# Altium PCB PCB1.pcbdoc (part 2 of 4)
Units mm, origin at the board's own origin, x right, y up, seen from the top; angles counter-clockwise.
Board outline 96.52 x 122.17 mm, 4 copper layers (Top Layer, Inner1, Inner2, Bottom Layer); 129 components, 127 nets, 709 pads, 318 vias.
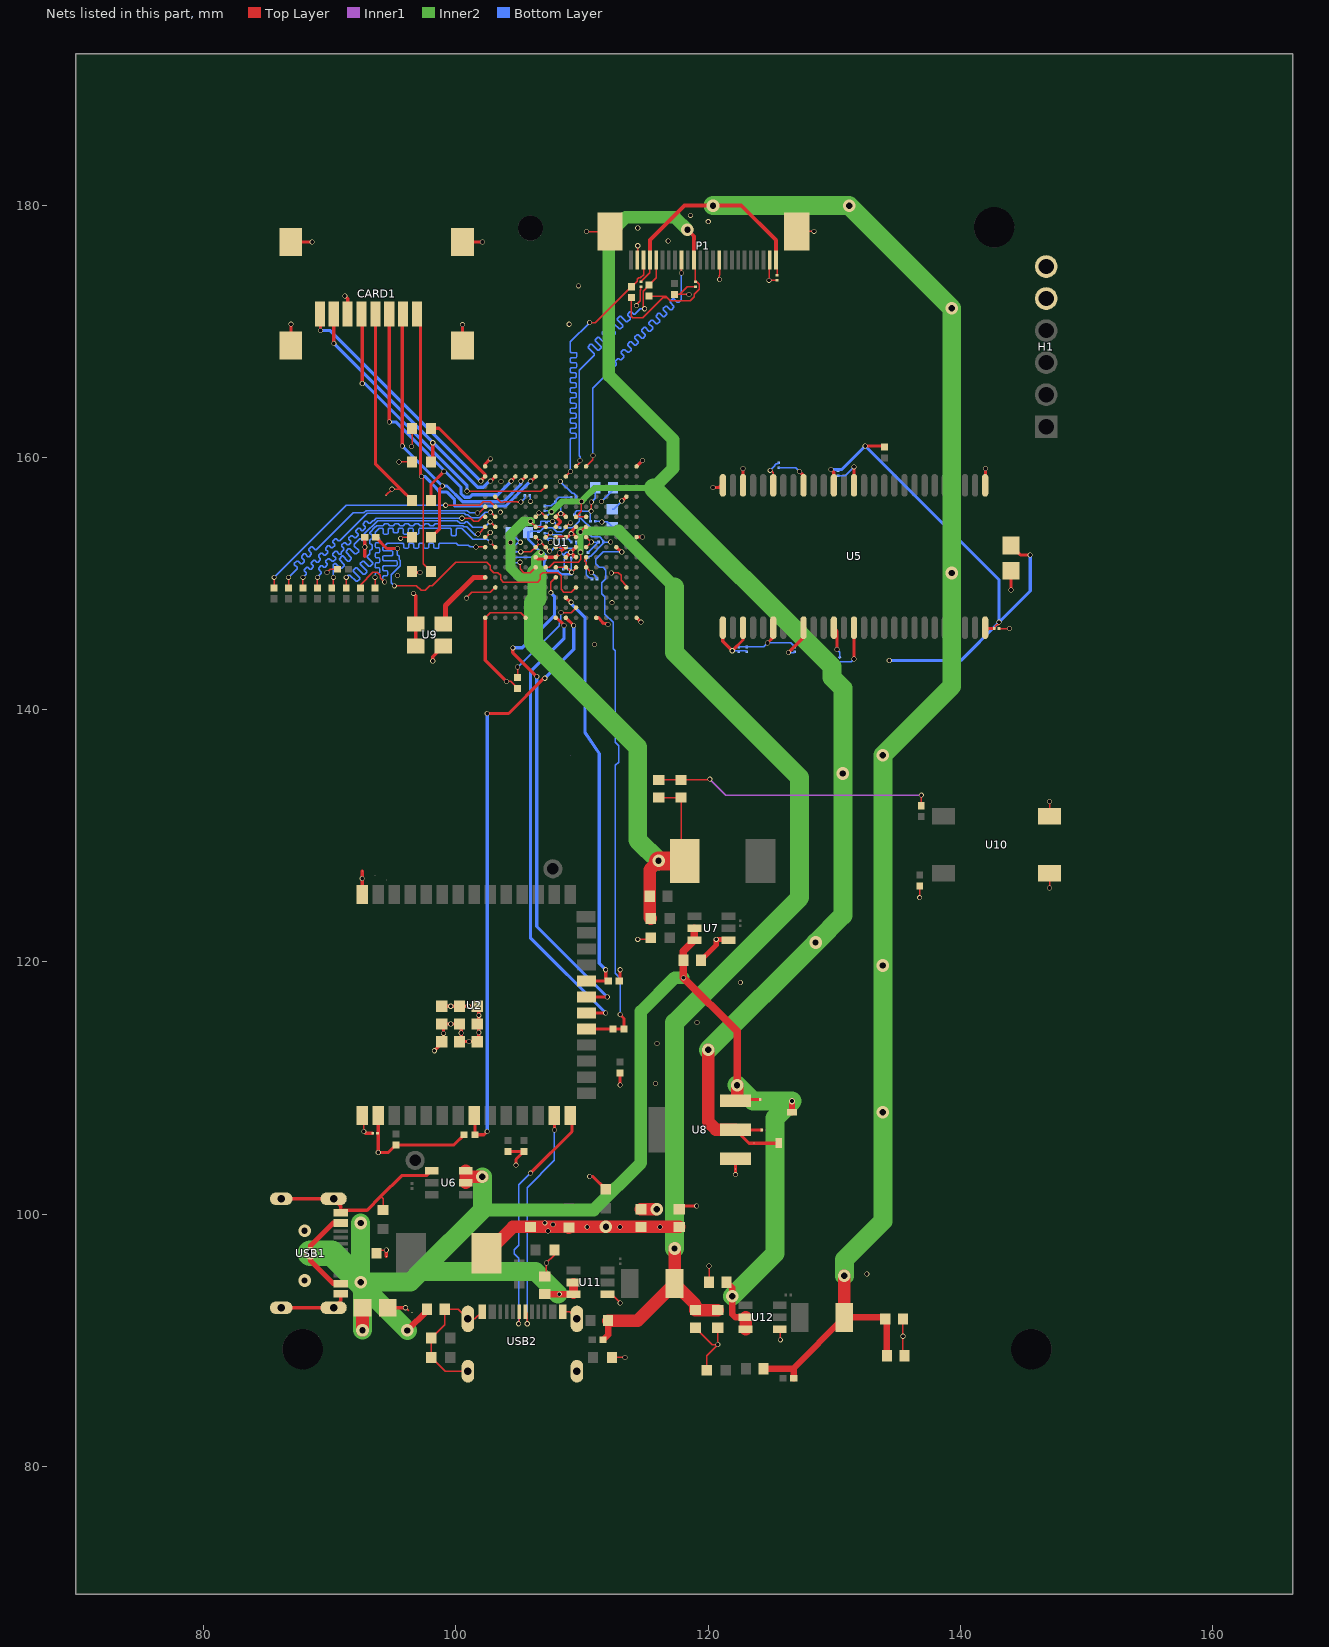
[diagram p4: the nets of this part, all layers, seen from the top]

## Via types
v1: diameter 0.4, hole 0.3, Top Layer to Bottom Layer, 291 vias
v2: diameter 1, hole 0.5, Top Layer to Bottom Layer, 26 vias
v3: diameter 0.5, hole 0.3, Top Layer to Bottom Layer, 1 vias

## Nets (pads, with @x,y where several pads share a name; then routed paths per layer and width w, separated by ;. In a path a pad name is that pad's centre, name@x,y a point inside that pad or via, vN(x,y) a via of type N, cw(c..) or ccw(c..) an arc to the next point about the centre after c; other vN are vias at no path point) (continued)
$2N5509: R24.2 U1.N10 | length 24
  Top Layer w0.1: v1(95.123,149.818) 96.882,149.818 97.242,149.458 97.576,149.458 97.936,149.818 98.129,149.818 99.373,151.062 99.373,151.067 100.013,151.707 102.453,151.707 102.749,151.411 102.749,151.131 103.009,150.871 103.345,150.871 103.549,150.667 103.549,150.331 103.773,150.107 105.689,150.107 105.696,150.114 106.166,150.114 106.173,150.107 106.489,150.107 106.713,150.331 106.713,150.689 106.895,150.871 108.089,150.871 108.349,150.611 108.349,149.531 108.573,149.307 109.149,149.307 U1.N10@109.531,149.689
  Top Layer w0.254: R24.2@93.651,153.67 94.54,152.781 v1(95.377,152.781)
  Bottom Layer w0.1: v1(95.123,149.818) 94.869,150.072 94.869,150.697 95.577,151.405 95.577,151.829 95.504,151.902 95.504,152.146 95.377,152.273 v1(95.377,152.781)
$2N5511: R25.2 U1.R10 | length 7.9
  Top Layer w0.1: R25.2@104.902,142.546 v1(104.902,143.383) ; v1(108.331,147.701) 109.143,147.701 U1.R10@109.531,148.089
  Bottom Layer w0.1: v1(104.902,143.383) 108.183,146.664 108.183,146.852 108.331,147 v1(108.331,147.701)
+1V1: C25.2 C27.2 C28.2 C41.1 C42.1 C43.1 C44.1 C49.1 C53.1 C54.1 C61.1 L2.2 R15.2 U1.G6 U1.G7 U1.L8 U1.L9 U1.L10 | length 66.8
  Top Layer w0.1: v1@105.918,154.94 105.918,154.902 U1.G6@106.331,154.489 U1.G7@107.131,154.489 ; U1.L8@107.931,151.289 U1.L9@108.731,151.289 108.797,151.289 v1(109.19,150.897) 109.531,151.238 U1.L10@109.531,151.289 ; C27.2@116.078,133.031 C28.2@117.856,133.031 117.856,128.318 L2.2@118.158,128.016
  Top Layer w1: R15.2@115.452,123.444 115.378,123.518 C25.2@115.378,125.222 115.378,127.316 v2(116.078,128.016)
  Top Layer w1.5: v2(116.078,128.016) L2.2@118.158,128.016
  Inner2 w0.7: 105.486,154.932 v1(105.926,154.932)
  Inner2 w0.8: v1(104.34,153.249) v1@104.331,153.258 ; 105.486,154.932 105.464,154.909 105.365,154.909 104.331,153.875 v1@104.331,153.258 ; v1@106.69,152.302 106.379,151.99 106.379,150.859 105.959,150.439 105.131,150.439 104.331,151.239 v1@104.331,153.258
  Inner2 w1.5: 106.379,150.859 106.426,150.812 106.426,148.785 106.149,148.508 106.149,145.311 114.427,137.033 114.427,129.667 v2(116.078,128.016)
  Bottom Layer w0.1: C61.1@105.856,154.051 105.96,154.155 106.708,154.155 106.981,154.427 107.701,154.427 108.008,154.12 108.452,154.12 108.741,154.411 109.26,154.411 109.796,154.948 109.796,155.194 ; C53.1@108.907,151.13 109.093,151.13 109.161,151.062 C49.1@109.161,152.019 ; C43.1@109.796,155.448 109.796,155.194 ; C44.1@110.812,154.178 110.812,154.289 109.907,155.194 109.796,155.194
  Bottom Layer w0.2: C61.1@105.729,154.051 105.729,153.518 v1(106.768,152.479) 106.896,152.479 106.99,152.385 106.99,152.381 107.096,152.275 107.096,151.859 C54.1@107.002,151.765 107.002,151.316 107.315,151.003 108.073,151.003 108.327,150.749 109.176,150.749 v1@109.19,150.762
+1V8: C29.1 C32.2 C35.1 C62.1 C63.1 P1.11 pad.55@123.648,105.627 R38.2 R39.2 U1.F10 U1.F11 U8.2 | length 126.2
  Top Layer w0.1: v1(109.963,156.504) 109.963,156.262 109.949,156.247 109.949,155.931 109.963,155.917 109.963,155.721 U1.F10@109.531,155.289 U1.F11@110.331,155.289 ; R38.2@113.919,172.668 113.919,172.205 113.915,172.201 113.915,171.2 114.046,171.069 114.828,171.069 116.427,172.668 116.763,172.668 ; R39.2@115.316,172.795 116.636,172.795 116.763,172.668 ; P1.11@118.888,175.655 118.987,175.557 118.987,174.458 118.999,174.446 C35.1@118.999,173.931 ; 119.11,173.931 119.311,173.73 119.311,173.352 118.893,172.934 118.893,172.756 118.575,172.437 116.994,172.437 116.763,172.668
  Top Layer w0.254: C29.1@124.265,106.68 122.197,106.68 123.25,105.627 pad.55@123.648,105.627 C32.2@125.603,105.627
  Top Layer w0.3: v2(118.364,178.054) 118.888,177.53 P1.11@118.888,175.655
  Top Layer w1: v2(120.015,113.03) 120.015,107.315 120.621,106.709 U8.2@122.168,106.709
  Inner2 w0.5: v1(107.579,155.689) 107.616,155.689 108.432,156.504 v1(109.963,156.504) 110.142,156.683 110.142,156.713 111.004,157.575 115.665,157.575
  Inner2 w1: 115.665,157.575 117.221,159.131 117.221,161.417 112.141,166.497 112.141,177.71 113.464,179.033 117.385,179.033 v2(118.364,178.054)
  Inner2 w1.5: 115.665,157.575 129.835,143.405 129.835,142.546 130.683,141.698 v2(130.683,134.939) 130.683,123.698 v2(128.524,121.539) v2(120.015,113.03)
  Bottom Layer w0.1: C63.1@107.061,155.761 107.507,155.761 v1(107.579,155.689) 107.188,155.298 C62.1@107.188,155.262
+2V5: C65.2 C67.2 C68.2 L3.2 R41.2 U1.G11 U1.L7 | length 91.3
  Top Layer w0.1: U1.L7@107.131,151.289 107.391,151.289 107.809,151.707 109.689,151.707 109.913,151.931 109.913,152.247 109.883,152.277 v1(109.883,152.489) ; v1(109.883,154.089) 110.283,154.489 U1.G11@110.331,154.489
  Top Layer w0.5: R41.2@111.685,90.043 112.079,90.437 C65.2@112.079,91.567
  Top Layer w1: C65.2@112.079,91.567 114.424,91.567 L3.2@117.345,94.488 ; v2(117.345,97.282) L3.2@117.345,94.488 ; C67.2@120.777,92.394 C68.2@118.999,92.394 118.999,92.834 L3.2@117.345,94.488
  Inner2 w0.5: v1(109.883,152.489) v1(109.883,154.089)
  Inner2 w0.7: v1(109.883,154.089) 109.972,154.178 112.903,154.178
  Inner2 w1: 112.903,154.178 117.345,149.736
  Inner2 w1.5: v2(117.345,97.282) 117.345,115.186 127.254,125.095 127.254,134.62 117.345,144.529 117.345,149.736
+2V8: C34.1 C70.2 C72.2 C73.2 C74.1 L4.2 P1.4 P1.24 R47.2 | length 139.5
  Top Layer w0.1: C34.1@114.681,173.931 115.389,174.639 P1.4@115.389,175.655 ; P1.24@125.39,175.652 125.476,175.566 C74.1@125.476,174.439
  Top Layer w0.3: P1.4@115.389,175.655 115.389,177.23 118.139,179.98 122.637,179.98 125.39,177.227 P1.24@125.39,175.652
  Top Layer w0.5: C70.2@124.398,87.757 126.743,87.757 ; R47.2@126.798,86.995 126.798,87.702 126.743,87.757 ; C73.2@134.047,91.694 133.92,91.821 L4.2@130.807,91.821 126.743,87.757 ; C72.2@134.174,88.773 C73.2@134.174,91.567
  Top Layer w1: L4.2@130.81,91.824 v2(130.81,95.123)
  Inner2 w1.5: v2(120.396,179.959) v2(131.191,179.959) v2(139.319,171.831) v2(139.319,150.833) 139.319,141.859 v2(133.858,136.398) v2(133.858,119.716) v2(133.858,108.091) 133.858,99.441 130.81,96.393 v2(130.81,95.123)
+3V3: C8.1 C10.1 C11.1 C12.1 C13.1 C14.1 C15.2 C16.2 C17.2 C19.2 C22.2 C23.2 C37.1 C39.1 C40.1 C45.1 C46.1 C47.1 C48.1 C50.1 C51.1 C52.1 C55.1 C56.1 C57.1 C58.1 C59.1 CARD1.4 H1.5 L1.2 pad.55@94.457,156.993 R1.2 R3.1 R4.1 R5.2 R7.2 R11.2 R16.2 R17.2 R18.2 R19.2 R20.2 R21.2 R22.2 R23.1 U1.F6 U1.F7 U1.G9 U1.H6 U1.H7 U1.H11 U1.J6 U1.J7 U1.J11 U1.K11 U1.L6 U1.L11 U2.2 U5.1 U5.3 U5.9 U5.14 U5.27 U5.43 U5.49 U9.1 U9.4 | length 140.6
  Top Layer w0.1: v1(89.791,150.887) 90.034,151.13 R23.1@90.626,151.13 ; pad.55@94.457,156.993 v1(94.944,157.48) 95.636,157.48 95.638,157.482 ; v1(95.504,159.639) R18.2@96.529,159.639 ; v1(95.631,153.585) 95.716,153.67 R17.2@96.529,153.67 ; v1@96.529,160.909 R19.2@96.529,162.306 ; v1(105.083,151.689) 105.113,151.659 105.113,151.167 105.404,150.876 105.918,150.876 U1.L6@106.331,151.289 ; v1@105.156,152.527 105.353,152.527 105.373,152.507 105.949,152.507 U1.J6@106.331,152.889 106.659,153.217 v1(106.659,153.288) ; U1.H6@106.331,153.689 106.659,153.361 v1(106.659,153.288) ; U1.F6@106.331,155.289 106.599,155.557 v1(106.599,155.607) 106.813,155.607 U1.F7@107.131,155.289 ; U1.H7@107.131,153.689 107.179,153.689 v1(107.515,154.025) ; v1@107.442,152.527 107.442,152.578 U1.J7@107.131,152.889 106.732,153.288 v1(106.659,153.288) ; U1.G9@108.731,154.489 109.055,154.813 v1(109.093,154.813) ; U1.K11@110.331,152.089 110.331,151.962 110.236,151.867 110.236,151.765 110.331,151.67 U1.L11@110.331,151.289 v1(110.744,150.876) ; U1.J11@110.331,152.889 110.731,153.289 v1(110.744,153.289) 110.344,153.689 U1.H11@110.331,153.689 ; v1(124.928,158.977) 124.995,158.977 125.172,158.8 U5.49@125.172,157.788 ; C14.1@142.68,146.431 142.763,146.514 142.763,146.625 142.881,146.743 142.992,146.743 143.07,146.821 v1(143.07,146.939)
  Top Layer w0.254: CARD1.4@93.626,171.374 93.626,159.494 95.638,157.482 R20.2@96.529,156.591 ; U2.2@93.975,107.836 93.853,107.714 v1(93.853,104.902) 94.667,104.902 R7.2@95.25,105.485 99.845,105.485 R5.2@100.659,106.299 ; R16.2@96.525,150.952 96.6,150.876 v1(97.155,150.876) ; v1(96.647,149.225) 96.817,149.055 U9.4@96.817,146.798 U9.1@96.817,145.048 ; R21.2@104.14,104.977 R22.2@105.41,104.977 104.775,104.342 v1(104.775,103.886) ; R3.1@112.955,118.491 113.03,118.566 v1(113.03,119.38) ; v1(113.03,110.236) R4.1@113.03,111.2 ; U5.1@121.172,146.631 121.172,145.422 v1(121.92,144.674) 122.772,145.526 U5.3@122.772,146.504 ; v1(126.365,144.526) 127.572,145.733 U5.9@127.572,146.504 ; v1(129.754,159.044) 129.972,158.826 U5.43@129.972,157.788 ; v1(131.572,144.018) U5.14@131.572,146.504 ; v1(132.461,160.909) 133.91,160.909 R1.2@133.985,160.834 ; U5.27@141.972,146.504 142.045,146.431 C14.1@142.68,146.431 ; C8.1@144.018,153.019 144.764,152.273 v1(145.542,152.273)
  Top Layer w1: L1.2@102.441,96.901 104.535,98.995 C19.2@105.918,98.995 108.913,98.995 R11.2@108.966,98.942 109.019,98.995 v1(110.415,98.995) v2(111.901,98.995) v1(113.029,98.995) C23.2@114.681,98.995 v1(116.2,98.995) C22.2@117.729,98.995
  Bottom Layer w0.1: C51.1@104.462,151.638 105.032,151.638 v1(105.083,151.689) ; C56.1@104.716,152.527 105.14,152.527 v1(105.148,152.519) ; C37.1@105.859,156.972 105.918,156.913 v1(105.918,156.524) ; C45.1@107.061,153.992 107.482,153.992 v1(107.515,154.025) 107.685,153.855 108.325,153.855 108.443,153.737 108.443,153.626 C46.1@108.526,153.543 108.898,153.543 C47.1@109.152,153.289 ; v1(107.442,152.568) 107.542,152.568 C57.1@107.882,152.908 ; C50.1@108.272,156.464 109.272,156.464 109.459,156.651 109.459,156.762 C39.1@109.542,156.845 109.542,156.956 109.341,157.157 109.215,157.157 v1(108.283,158.089) ; C52.1@110.49,152.468 C55.1@111.311,153.289 v1(110.744,153.289) ; v1(110.744,150.876) 110.94,150.68 110.992,150.68 111.193,150.479 C48.1@111.193,150.368 ; C40.1@111.066,154.94 111.528,154.94 v1(111.577,154.89) 111.999,154.89 C59.1@112.395,154.494 ; v1(111.555,156.512) 112.46,157.417 C58.1@112.46,157.607 ; v1(121.92,144.674) 122.228,144.674 122.234,144.668 122.98,144.668 C11.1@123.063,144.585 ; v1(124.928,158.977) 125.291,159.34 125.291,159.379 125.409,159.497 125.52,159.497 C16.2@125.603,159.58 ; v1(126.365,144.526) 126.814,144.526 C12.1@126.873,144.585 ; C13.1@130.164,143.88 130.282,143.88 130.36,143.802 131.356,143.802 v1(131.572,144.018)
  Bottom Layer w0.254: v1(129.754,159.044) 130.596,159.044 v1(132.461,160.909) 143.07,150.3 v1(143.07,146.939) ; v1(134.366,143.891) 140.022,143.891 v1(143.07,146.939) ; v1(145.542,152.273) 145.542,149.411 v1(143.07,146.939)
  other v1: 107.315,98.679 107.696,99.187 107.061,99.314 95.377,150.636 96.495,160.876
+5V: C20.2 C26.2 C30.1 C31.2 C33.2 C66.2 C71.2 U6.2 U6.3 U7.2 U7.3 U8.3 U11.2 U11.3 U12.2 U12.3 USB1.A4B9 USB1.B4A9 | length 137.7
  Top Layer w0.254: U8.3@122.555,109.093 C30.1@124.138,109.093
  Top Layer w0.4: USB1.B4A9@90.881,94.501 90.284,94.501 88.481,96.304 88.481,97.508 90.274,99.301 USB1.A4B9@90.881,99.301
  Top Layer w0.5: v2(96.158,90.786) 97.725,92.353 C20.2@97.725,92.456 ; C66.2@107.061,93.661 v1(108.204,93.661) 109.296,93.661 U11.3@109.32,93.637 ; C71.2@121.477,94.615 121.92,94.172 v2(121.92,93.492) 121.92,92.075 122.174,91.821 U12.2@122.983,91.821 ; C31.2@126.656,108.077 v3(126.656,108.966)
  Top Layer w0.6: U7.2@118.919,122.682 U7.3@118.919,121.732 118.045,120.858 C26.2@118.045,120.142 v1(118.045,118.745) 122.301,114.489 v2(122.301,110.236)
  Top Layer w0.7: U11.3@109.32,93.637 U11.2@109.32,94.587
  Top Layer w1: v2(92.599,90.805) C33.2@92.599,92.583 ; U6.2@100.791,102.491 100.791,102.97 ; U6.3@100.791,103.439 100.791,102.97 ; v2(102.108,102.97) 100.791,102.97 ; U8.3@122.168,109.009 122.301,109.142 v2(122.301,110.236) ; U12.3@122.983,90.871 U12.2@122.983,91.819
  Inner2 w1: 102.108,100.33 110.926,100.33 114.667,104.071 114.667,116.067 117.345,118.745 v1(118.045,118.745)
  Inner2 w1.5: v2(92.456,99.301) v2(92.456,94.615) 96.393,94.615 97.241,95.463 ; v2(92.599,90.805) 92.599,94.091 92.456,94.234 92.71,94.234 v2(96.158,90.786) ; v2(102.108,102.97) 102.108,100.33 97.241,95.463 ; v1@108.108,93.661 106.306,95.463 97.241,95.463 ; v2(121.92,93.492) 125.316,96.888 125.316,107.626 v3(126.656,108.966) 123.571,108.966 v2(122.301,110.236)
  Inner2 w2: v2(88.467,96.901) 90.17,96.901 v2(92.456,94.615)
  other v2: 88.011,94.742 88.011,98.679
CCLK: R6.1 R6.2 U1.J14 U2.19 | length 44.6
  Top Layer w0.254: U2.19@110.495,114.681 R6.1@112.47,114.681 R6.2@113.336,114.681 113.336,115.518 v1(113.03,115.824) ; U1.J14@112.731,152.889 113.114,152.506 v1(113.157,152.506)
  Bottom Layer w0.1: v1(113.03,115.824) 113.03,118.703 112.628,119.105 112.628,135.577 112.903,135.852 112.903,137.16 112.649,137.414 112.628,137.414 112.628,144.674 112.476,144.826 112.476,146.928 111.818,147.586 111.818,148.951 111.589,149.18 111.589,150.07 111.908,150.389 111.908,151.043 111.673,151.278 111.387,151.278 111.102,151.562 111.102,151.93 111.678,152.506 v1(113.157,152.506)
CRYSTAL: U1.M1 U9.3 | length 5.6
  Top Layer w0.4: U9.3@99.017,146.798 99.187,146.968 99.187,148.256 101.416,150.485 101.463,150.485 101.467,150.489 U1.M1@102.331,150.489
D0: R26.1 U1.E2 | length 21
  Top Layer w0.1: R26.1@85.598,149.658 v1(85.598,150.495) ; v1@99.187,156.21 101.912,156.21 102.173,156.471 102.749,156.471 U1.E2@103.131,156.089
  Bottom Layer w0.1: v1(85.598,150.495) 91.313,156.21 v1(99.197,156.21)
D1: R27.1 U1.E1 | length 21.1
  Top Layer w0.1: R27.1@86.741,149.658 v1(86.741,150.495) ; v1(101.727,155.604) 101.846,155.604 U1.E1@102.331,156.089
  Bottom Layer w0.1: v1(86.741,150.495) 87.426,151.18 87.426,151.28 87.209,151.498 87.209,151.598 87.391,151.78 87.491,151.78 87.709,151.563 87.809,151.563 87.992,151.746 87.992,151.846 87.774,152.063 87.774,152.163 87.957,152.346 88.057,152.346 88.275,152.129 88.375,152.129 88.557,152.311 88.557,152.411 88.34,152.629 88.34,152.729 88.523,152.912 88.623,152.912 88.84,152.694 88.94,152.694 91.85,155.604 92.71,155.604 92.888,155.782 100.92,155.782 101.098,155.604 v1(101.727,155.604)
D2: R28.1 U1.F2 | length 21.5
  Top Layer w0.1: R28.1@87.884,149.658 v1(87.884,150.495) ; v1(102.74,155.659) 102.761,155.659 U1.F2@103.131,155.289
  Bottom Layer w0.1: v1(87.884,150.495) 88.138,150.749 88.138,150.849 87.984,151.003 87.984,151.103 88.167,151.286 88.267,151.286 88.421,151.132 88.521,151.132 88.704,151.315 88.704,151.415 88.55,151.569 88.55,151.669 88.733,151.852 88.833,151.852 88.987,151.698 89.087,151.698 89.269,151.88 89.269,151.98 89.115,152.134 89.115,152.234 89.298,152.417 89.398,152.417 89.552,152.263 89.652,152.263 89.835,152.446 89.835,152.546 89.681,152.7 89.681,152.8 89.864,152.983 89.964,152.983 90.118,152.829 90.218,152.829 90.401,153.012 90.401,153.112 90.247,153.266 90.247,153.366 90.43,153.549 90.53,153.549 90.684,153.395 90.784,153.395 92.971,155.582 100.668,155.582 100.778,155.473 100.946,155.473 101.217,155.202 101.894,155.202 102.35,155.659 v1(102.74,155.659)
D3: R29.1 U1.F1 | length 20.7
  Top Layer w0.1: R29.1@89.027,149.658 v1(89.027,150.495) ; v1(100.502,155.18) 101.201,155.18 101.433,154.948 101.767,154.948 102.125,155.306 102.314,155.306 U1.F1@102.331,155.289
  Bottom Layer w0.1: v1(89.027,150.495) 89.346,150.814 89.346,150.914 89.129,151.132 89.129,151.232 89.312,151.415 89.412,151.415 89.531,151.295 89.631,151.295 89.814,151.478 89.814,151.578 89.694,151.697 89.694,151.797 89.877,151.98 89.977,151.98 90.195,151.763 90.295,151.763 90.478,151.946 90.478,152.046 90.26,152.263 90.26,152.363 90.443,152.546 90.543,152.546 90.761,152.329 90.861,152.329 90.913,152.381 90.913,152.477 91.125,152.69 91.125,152.79 90.956,152.959 90.956,153.059 91.139,153.242 91.239,153.242 91.408,153.072 91.508,153.072 91.691,153.255 91.691,153.355 91.522,153.525 91.522,153.625 91.704,153.807 91.804,153.807 91.974,153.638 92.074,153.638 92.257,153.821 92.257,153.921 92.087,154.09 92.087,154.19 92.27,154.373 92.37,154.373 92.539,154.204 92.639,154.204 92.822,154.387 92.822,154.487 92.653,154.656 92.653,154.756 92.836,154.939 92.936,154.939 93.105,154.769 93.205,154.769 93.414,154.978 93.51,154.978 93.712,155.18 v1(100.502,155.18)
D4: R30.1 U1.G2 | length 21.3
  Top Layer w0.1: R30.1@90.17,149.658 90.297,149.785 v1(90.297,150.495) ; v1(102.725,154.892) 102.728,154.892 U1.G2@103.131,154.489
  Bottom Layer w0.1: v1(90.297,150.495) 90.297,151.482 90.443,151.628 90.461,151.628 90.873,151.216 90.973,151.216 91.156,151.399 91.156,151.499 90.744,151.911 90.744,151.929 91.009,152.194 91.027,152.194 91.439,151.782 91.539,151.782 91.722,151.965 91.722,152.065 91.31,152.477 91.31,152.577 91.493,152.76 91.593,152.76 92.005,152.348 92.105,152.348 92.287,152.531 92.287,152.631 91.948,152.97 91.948,153.133 92.374,153.559 92.474,153.559 92.692,153.341 92.792,153.341 92.975,153.523 92.975,153.623 92.757,153.842 92.757,153.942 93.795,154.98 100.133,154.98 100.335,154.778 100.668,154.778 100.795,154.905 100.904,154.905 101.356,154.453 102.285,154.453 v1(102.725,154.892)
D5: R31.1 U1.G1 | length 21
  Top Layer w0.1: R31.1@91.313,149.658 v1(91.313,150.495) ; v1(101.761,153.924) 101.766,153.924 U1.G1@102.331,154.489
  Bottom Layer w0.1: v1(91.313,150.495) 91.492,150.674 91.592,150.674 92.101,150.165 92.201,150.165 92.384,150.348 92.384,150.448 91.875,150.957 91.875,151.057 92.057,151.239 92.157,151.239 92.667,150.73 92.767,150.73 92.949,150.913 92.949,151.013 92.44,151.522 92.44,151.622 92.604,151.786 92.704,151.786 93.116,151.374 93.216,151.374 93.399,151.556 93.399,151.656 92.987,152.069 92.987,152.169 93.187,152.369 93.187,152.627 93.258,152.697 93.299,152.697 93.37,152.768 93.37,153.027 93.299,153.097 93.258,153.097 93.187,153.168 93.187,153.427 93.258,153.497 93.299,153.497 93.37,153.568 93.37,153.827 93.299,153.897 93.258,153.897 93.187,153.968 93.187,154.042 93.633,154.488 93.655,154.488 93.745,154.578 94.23,154.578 94.301,154.649 94.301,154.68 94.372,154.751 94.63,154.751 94.701,154.68 94.701,154.649 94.772,154.578 95.03,154.578 95.101,154.649 95.101,154.68 95.172,154.751 95.43,154.751 95.501,154.68 95.501,154.649 95.572,154.578 95.83,154.578 95.901,154.649 95.901,154.68 95.972,154.751 96.23,154.751 96.301,154.68 96.301,154.649 96.372,154.578 96.63,154.578 96.701,154.649 96.701,154.68 96.772,154.751 97.03,154.751 97.101,154.68 97.101,154.649 97.172,154.578 97.43,154.578 97.501,154.649 97.501,154.68 97.572,154.751 97.83,154.751 97.901,154.68 97.901,154.649 97.972,154.578 98.23,154.578 98.301,154.649 98.301,154.68 98.372,154.751 98.63,154.751 98.701,154.68 98.701,154.649 98.772,154.578 100.556,154.578 100.646,154.488 100.875,154.488 101.529,153.834 101.671,153.834 v1(101.761,153.924)
D6: R32.1 U1.J1 | length 20.9
  Top Layer w0.1: R32.1@92.456,149.658 92.456,149.921 93.432,150.897 93.766,150.897 94.001,150.662 94.001,150.474 v1(94.361,150.114) ; v1(101.6,152.908) 102.312,152.908 U1.J1@102.331,152.889
  Bottom Layer w0.1: v1(94.361,150.114) 94.213,150.262 94.213,150.546 94.284,150.617 94.548,150.617 94.619,150.687 94.619,150.946 94.548,151.017 94.284,151.017 94.213,151.087 94.213,151.346 94.284,151.417 95.306,151.417 95.377,151.487 95.377,151.746 95.306,151.817 94.284,151.817 94.213,151.887 94.213,152.146 94.284,152.217 94.925,152.217 94.996,152.287 94.996,152.546 94.925,152.617 94.284,152.617 94.213,152.687 94.213,152.821 94.575,153.183 95.793,153.183 95.864,153.112 95.864,152.852 95.934,152.781 96.193,152.781 96.264,152.852 96.264,153.112 96.334,153.183 96.593,153.183 96.664,153.112 96.664,152.852 96.734,152.781 96.993,152.781 97.064,152.852 97.064,153.112 97.134,153.183 97.393,153.183 97.464,153.112 97.464,152.852 97.534,152.781 97.793,152.781 97.864,152.852 97.864,153.112 97.934,153.183 98.193,153.183 98.264,153.112 98.264,152.852 98.334,152.781 98.593,152.781 98.664,152.852 98.664,153.112 98.734,153.183 100.055,153.183 100.182,153.056 101.005,153.056 101.153,152.908 v1(101.6,152.908)
D7: R34.1 U1.J2 | length 21
  Top Layer w0.1: R34.1@93.599,149.658 v1(93.599,150.495) ; v1(102.743,153.289) 102.743,153.277 U1.J2@103.131,152.889
  Bottom Layer w0.1: v1(93.599,150.495) 93.599,150.769 93.67,150.84 93.913,150.84 93.984,150.911 93.984,151.169 93.913,151.24 93.67,151.24 93.599,151.311 93.599,151.569 93.67,151.64 93.913,151.64 93.984,151.711 93.984,151.969 93.913,152.04 93.67,152.04 93.599,152.111 93.599,152.369 93.67,152.44 93.913,152.44 93.984,152.511 93.984,152.769 93.913,152.84 93.67,152.84 93.599,152.911 93.599,153.169 93.67,153.24 93.913,153.24 93.984,153.311 93.984,153.569 93.913,153.64 93.67,153.64 93.599,153.711 93.599,154.051 93.926,154.378 94.175,154.378 94.245,154.307 94.245,153.969 94.316,153.898 94.575,153.898 94.645,153.969 94.645,154.307 94.716,154.378 94.975,154.378 95.045,154.307 95.045,154.11 95.116,154.04 95.375,154.04 95.445,154.11 95.445,154.307 95.516,154.378 95.775,154.378 95.845,154.307 95.845,153.969 95.916,153.898 96.175,153.898 96.245,153.969 96.245,154.307 96.316,154.378 96.575,154.378 96.645,154.307 96.645,153.969 96.716,153.898 96.975,153.898 97.045,153.969 97.045,154.307 97.116,154.378 99.57,154.378 99.64,154.307 99.64,153.868 99.711,153.797 99.97,153.797 100.04,153.868 100.04,154.307 100.111,154.378 100.474,154.378 101.33,153.522 102.51,153.522 v1(102.743,153.289)
DIN: U1.T8 U2.20 | length 36.6
  Top Layer w0.254: U1.T8@107.931,147.289 107.981,147.289 v1(108.585,146.685) ; U2.20@110.495,115.951 v1(111.887,115.951)
  Bottom Layer w0.254: v1(108.585,146.685) 108.585,145.669 105.918,143.002 105.918,121.92 v1(111.887,115.951)
DN: U2.13 USB2.A7 | length 18.5
  Top Layer w0.1: USB2.A7@105.533,92.278 105.664,92.147 v1(105.664,91.313)
  Top Layer w0.254: v1(107.823,106.68) 107.823,107.714 U2.13@107.945,107.836
  Bottom Layer w0.1: v1(105.664,91.313) 105.664,102.108 107.823,104.267 v1(107.823,106.68)
DONE: pad.55@110.871,137.16 R3.2 U1.P9 U2.22 | length 33.3
  Top Layer w0.254: U1.P9@108.731,148.889 109.101,148.519 v1(109.149,148.519) ; U2.22@110.495,118.491 R3.2@112.089,118.491 111.887,118.693 v1(111.887,119.38)
  Bottom Layer w0.254: v1(109.149,148.519) 109.149,148.407 110.236,147.32 110.236,138.176 111.379,136.525 111.379,119.888 v1(111.887,119.38)
DOUT: U1.M8 U2.21 | length 40
  Top Layer w0.1: v1(107.531,149.274) 107.531,150.089 U1.M8@107.931,150.489
  Top Layer w0.254: v1(104.521,144.907) 104.521,144.526 v1(106.426,142.621) ; U2.21@110.495,117.221 v1(112.014,117.221)
  Bottom Layer w0.254: v1(104.521,144.907) 105.283,144.907 107.815,147.439 107.815,148.99 v1(107.531,149.274) ; v1(106.426,142.621) 106.426,122.809 v1(112.014,117.221)
DP: U2.14 USB2.A6 | length 19.5
  Top Layer w0.1: v1@105.033,91.313 USB2.A6@105.033,92.278
  Top Layer w0.254: v1(105.918,103.251) 109.215,106.548 U2.14@109.215,107.836
  Bottom Layer w0.1: v1(104.985,91.313) 104.985,96.503 104.627,96.861 104.627,97.195 104.985,97.553 104.985,102.318 v1(105.918,103.251)
FSCL: P1.5 R39.1 U1.A10 | length 27
  Top Layer w0.1: U1.A10@109.531,159.289 109.855,159.613 v1(109.855,159.766) ; v1(114.978,171.788) 114.844,171.922 114.844,173.162 115.316,173.634 R39.1@115.316,173.661 115.888,174.233 P1.5@115.888,175.655
  Bottom Layer w0.1: v1(109.855,159.766) 109.855,160.052 109.774,160.132 109.774,166.923 110.963,168.112 110.963,168.212 110.491,168.684 110.491,168.784 110.674,168.967 110.774,168.967 111.246,168.495 111.346,168.495 111.529,168.678 111.529,168.778 111.057,169.25 111.057,169.35 111.24,169.533 111.34,169.533 111.812,169.061 111.912,169.061 112.095,169.244 112.095,169.344 111.623,169.816 111.623,169.916 111.806,170.099 111.906,170.099 112.378,169.626 112.478,169.626 112.661,169.809 112.661,169.909 112.238,170.331 112.238,170.431 112.421,170.614 112.521,170.614 112.943,170.192 113.043,170.192 113.226,170.375 113.226,170.475 112.804,170.897 112.804,170.997 112.987,171.18 113.087,171.18 113.509,170.758 113.609,170.758 113.815,170.963 113.815,171.063 113.625,171.253 113.625,171.353 113.808,171.536 113.908,171.536 114.098,171.346 114.198,171.346 114.639,171.788 v1(114.978,171.788)
FSDA: P1.3 R38.1 U1.B9 | length 27
  Top Layer w0.1: U1.B9@108.731,158.489 109.093,158.851 v1(109.093,158.877) ; v1(110.617,170.688) 111.073,170.688 R38.1@113.919,173.534 114.369,173.984 114.369,174.12 114.487,174.238 114.623,174.238 114.888,174.503 P1.3@114.888,175.655
  Bottom Layer w0.1: v1(109.093,158.877) 109.093,161.431 109.164,161.502 109.48,161.502 109.551,161.573 109.551,161.831 109.48,161.902 109.164,161.902 109.093,161.973 109.093,162.242 109.164,162.313 109.48,162.313 109.551,162.383 109.551,162.642 109.48,162.713 109.164,162.713 109.093,162.783 109.093,163.042 109.164,163.113 109.48,163.113 109.551,163.183 109.551,163.442 109.48,163.513 109.164,163.513 109.093,163.583 109.093,163.842 109.164,163.913 109.48,163.913 109.551,163.983 109.551,164.242 109.48,164.313 109.164,164.313 109.093,164.383 109.093,164.642 109.164,164.713 109.48,164.713 109.551,164.783 109.551,165.042 109.48,165.113 109.164,165.113 109.093,165.183 109.093,165.442 109.164,165.513 109.48,165.513 109.551,165.583 109.551,165.842 109.48,165.913 109.164,165.913 109.093,165.983 109.093,166.242 109.164,166.313 109.48,166.313 109.551,166.383 109.551,166.642 109.48,166.713 109.164,166.713 109.093,166.783 109.093,167.042 109.164,167.113 109.53,167.113 109.601,167.183 109.601,167.442 109.53,167.513 109.164,167.513 109.093,167.583 109.093,167.842 109.164,167.913 109.53,167.913 109.601,167.983 109.601,168.242 109.53,168.313 109.164,168.313 109.093,168.383 109.093,169.164 v1(110.617,170.688)
GND: C8.2 C10.2 C11.2 C12.2 C13.2 C14.2 C15.1 C16.1 C17.1 C20.1 C22.1 C23.1 C26.1 C27.1 C28.1 C33.1 C34.2 C35.2 C37.2 C39.2 C40.2 C41.2 C42.2 C43.2 C44.2 C45.2 C46.2 C47.2 C48.2 C49.2 C50.2 C51.2 C52.2 C53.2 C54.2 C55.2 C56.2 C57.2 C58.2 C59.2 C61.2 C62.2 C63.2 C66.1 C67.1 C68.1 C71.1 C72.1 C73.1 C74.2 CARD1.6 CARD1.9 CARD1.10 CARD1.11 CARD1.12 H1.6 P1.2 P1.15 P1.23 P1.25 P1.26 pad.55@92.578,127.195 pad.55@94.488,96.647 pad.55@96.52,92.202 pad.55@122.168,103.597 R9.1 R10.1 R12.1 R14.1 R24.1 R25.1 R35.2 R36.2 R37.2 R40.1 R42.2 R43.2 R45.1 R46.1 U1.A1 U1.A16 U1.D2 U1.D15 U1.F8 U1.F9 U1.G8 U1.G10 U1.H1 U1.H8 U1.H9 U1.H10 U1.H16 U1.J8 U1.J9 U1.J10 U1.K6 U1.K7 U1.K8 U1.K9 U1.K10 U1.N2 U1.N15 U1.T1 U1.T5 U1.T12 U1.T16 U2.1 U2.40 U2.41 U5.6 U5.12 U5.28 U5.41 U5.46 U5.52 U5.54 U6.4 U7.4 U8.1 U9.2 U10.2 U10.4 U11.4 U12.4 USB1.1 USB1.2 USB1.3 USB1.4 USB1.A1B12 USB1.B1A12 USB2.1 USB2.2 USB2.3 USB2.4 USB2.A1B12 USB2.B1A12 | length 210.5
  Top Layer w0.1: U2.1@92.578,107.836 92.705,107.709 v1(92.705,106.553) ; R10.1@93.717,96.901 93.971,97.155 v1(94.488,97.155) ; 94.058,101.415 94.234,101.239 R9.1@94.234,100.321 ; v1(96.012,92.583) 96.266,92.329 ; v1(100.838,148.844) 100.838,148.886 101.259,149.307 102.749,149.307 U1.N2@103.131,149.689 ; USB2.3@100.963,87.554 99.145,87.554 R42.2@98.053,88.646 R43.2@98.053,90.17 99.125,91.242 C20.1@99.125,92.456 100.21,92.456 USB2.1@100.963,91.703 101.508,91.703 USB2.A1B12@102.083,92.278 ; U1.T1@102.331,147.289 102.713,147.671 105.149,147.671 U1.T5@105.531,147.289 ; 102.489,153.797 102.731,154.039 v1(102.731,154.051) ; U1.D2@103.131,156.889 103.556,156.464 103.766,156.464 103.773,156.471 104.889,156.471 104.896,156.464 v1@105.156,156.464 ; v1(104.013,142.24) 104.342,142.24 R25.1@104.902,141.68 ; C66.1@107.061,95.061 107.188,95.188 v1(107.188,96.139) 107.814,96.765 R45.1@107.814,97.155 ; U1.J8@107.931,152.889 U1.J9@108.674,152.889 ; USB2.B1A12@108.483,92.278 109.028,92.278 USB2.2@109.603,91.703 ; v1(110.363,177.909) P1.26@112.233,177.909 ; v1(110.731,155.737) 110.744,155.75 v1(110.744,156.464) ; U11.4@112.02,93.637 112.357,93.637 v1(113.03,92.964) ; v1(112.331,150.841) 112.47,150.841 112.5,150.871 112.889,150.871 113.113,150.647 113.113,150.258 113.531,149.84 U1.N15@113.531,149.689 ; R40.1@112.386,88.646 v1(113.411,88.646) ; v1(114.317,172.035) 114.317,172.102 114.644,172.429 114.644,173.245 114.681,173.282 C34.2@114.681,173.541 ; P1.2@114.389,175.655 114.427,175.694 v1(114.427,176.784) ; v1(114.427,121.793) 115.325,121.793 R14.1@115.452,121.92 ; C27.1@116.078,134.431 C28.1@117.856,134.431 120.08,134.431 v1(120.142,134.493) ; R35.2@117.348,172.922 117.745,172.922 ; v1(118.491,172.922) 117.745,172.922 ; C68.1@118.999,90.994 120.331,89.662 v1(120.777,89.662) ; C35.2@118.999,173.541 118.364,173.541 117.745,172.922 ; R46.1@119.897,87.63 119.897,88.782 v1(120.777,89.662) ; C71.1@120.077,94.615 v1(120.077,95.885) ; C67.1@120.777,90.994 v1(120.777,89.662) ; P1.15@120.885,175.654 120.921,175.617 120.921,174.455 120.904,174.437 v1@120.904,174.117 ; P1.23@124.89,175.652 124.841,175.603 v1(124.841,174.045) 124.845,174.049 C74.2@125.476,174.049 ; U12.4@125.683,90.871 125.73,90.824 v1(125.73,90.043) ; P1.25@127.035,177.916 128.386,177.916 v1(128.397,177.927) ; C73.1@135.447,91.694 v1(135.447,90.323) 135.447,88.9 C72.1@135.574,88.773 ; v1(136.779,125.095) R37.2@136.779,126.036 ; R36.2@136.906,132.386 v1(136.906,133.223) ; C14.2@143.07,146.431 v1(143.891,146.431) ; v1(147.066,125.857) 147.075,125.866 U10.4@147.075,127.036 ; U10.2@147.075,131.536 v1(147.075,132.715)
  Top Layer w0.254: USB1.4@86.157,92.581 USB1.2@90.306,92.581 90.881,93.156 USB1.B1A12@90.881,93.701 ; USB1.3@86.157,101.221 USB1.1@90.306,101.221 90.881,100.646 USB1.A1B12@90.881,100.101 91.102,100.321 92.964,100.321 94.058,101.415 95.701,103.058 97.415,103.058 97.425,103.068 97.72,103.068 U6.4@98.091,103.439 ; CARD1.10@86.926,168.874 v1(86.926,170.565) ; CARD1.9@86.926,177.074 v1(88.611,177.074) ; v1(91.199,172.801) 91.426,172.574 CARD1.6@91.426,171.374 ; pad.55@92.578,127.195 v1(92.578,126.623) 92.578,125.463 U2.40@92.705,125.336 ; v1(92.705,106.553) 92.832,106.426 C17.1@93.404,106.426 ; 92.785,152.146 v1(92.785,152.902) R24.1@92.785,153.67 ; pad.55@94.488,96.647 v1(94.488,97.155) ; C33.1@94.599,92.583 v1(96.012,92.583) ; v1(98.171,143.861) 98.171,144.202 U9.2@99.017,145.048 ; v1(98.299,112.96) 99.025,113.686 v1(99.025,114.339) 99.025,115.086 v1(99.601,115.086) 100.425,115.086 v1(100.425,114.364) 100.425,113.686 v1(101.045,113.686) 101.825,113.686 v1(101.825,114.408) v1(101.825,115.77) 101.825,116.486 v1(100.976,116.486) U2.41@100.298,116.486 v1(99.601,116.486) U2.41@99.025,116.486 ; CARD1.11@100.526,168.874 v1(100.526,170.523) ; CARD1.12@100.526,177.074 v1(102.108,177.074) ; U1.T1@102.331,147.289 102.331,143.922 v1(104.013,142.24) ; U1.A1@102.331,159.289 102.331,159.481 v1(102.743,159.893) ; U1.K6@106.331,152.089 106.472,151.948 106.99,151.948 U1.K7@107.131,152.089 U1.K8@107.931,152.089 108.218,152.376 v1(108.218,152.432) 108.674,152.889 U1.J9@108.731,152.889 ; U1.H8@107.931,153.689 U1.H9@108.731,153.689 108.882,153.689 v1(109.15,153.957) ; U1.G8@107.931,154.489 108.283,154.841 108.283,154.937 U1.F8@107.931,155.289 108.185,155.543 v1(108.322,155.543) 108.477,155.543 U1.F9@108.731,155.289 ; U1.K9@108.731,152.089 109.11,152.468 v1(109.11,152.481) ; U1.K10@109.375,152.117 109.375,152.215 v1(109.11,152.481) ; U1.J10@109.531,152.889 109.518,152.889 v1(109.11,152.481) ; U1.H10@109.531,153.689 109.263,153.957 v1(109.15,153.957) ; U1.G10@109.531,154.489 109.15,154.108 v1(109.15,153.957) ; v1(110.617,102.988) 110.871,102.988 R12.1@111.887,101.972 ; U1.T12@111.131,147.289 111.318,147.289 111.472,147.135 111.472,147.099 111.741,146.83 112.001,146.83 v1(112.074,146.757) ; v1@113.157,156.591 113.233,156.591 U1.D15@113.531,156.889 ; U1.T16@114.331,147.289 v1(114.681,146.939) ; U1.H16@114.331,153.689 v1(114.808,153.691) ; U1.A16@114.331,159.289 v1(114.808,159.766) ; C22.1@117.729,100.395 117.98,100.646 v1(119.1,100.646) ; v1(120.396,157.607) 120.864,157.607 U5.54@121.172,157.915 ; v1(122.168,103.134) pad.55@122.168,103.597 U8.1@122.168,104.409 ; U5.52@122.772,157.915 v1(122.772,159.131) ; v1(124.714,145.288) 125.172,145.746 U5.6@125.172,146.504 ; v1(127.254,158.877) 127.572,158.559 U5.46@127.572,157.788 ; U5.12@129.972,146.504 130.226,146.25 v1(130.226,144.78) ; U5.41@131.572,157.915 v1(131.572,159.258) ; U5.28@141.972,157.788 141.986,157.802 v1(141.986,159.131) ; v1(144.018,149.479) C8.2@144.018,151.019
  Top Layer w0.4: C26.1@119.445,120.142 120.65,121.347 v1(120.65,121.793) 121.558,121.793 U7.4@121.619,121.732
  Top Layer w1: C23.1@114.681,100.395 v2(115.943,100.395)
  Inner1 w0.1: v1(120.142,134.493) 121.412,133.223 v1(136.906,133.223)
  Bottom Layer w0.1: C51.2@104.072,151.638 104.072,151.749 104.326,152.003 ; C61.2@104.329,154.051 104.343,154.051 v1(105.118,153.276) 104.965,153.276 104.409,152.721 104.409,152.567 104.369,152.527 C56.2@104.326,152.527 104.326,152.003 ; v1(105.155,156.465) 105.469,156.779 C37.2@105.469,156.972 ; C41.2@106.553,154.5 106.731,154.678 106.731,154.937 107.123,154.937 C62.2@107.188,154.872 107.253,154.937 v1(107.658,154.937) 107.758,154.937 107.881,154.814 107.881,154.754 108.117,154.518 108.177,154.518 C42.2@108.263,154.432 ; C54.2@106.612,151.765 106.286,152.091 104.414,152.091 104.326,152.003 ; C45.2@107.061,153.602 C45.2@107.17,153.602 ; C63.2@107.061,156.151 107.569,156.151 C50.2@107.882,156.464 ; v1(107.517,153.256) C45.2@107.17,153.602 ; v1(108.218,152.432) 108.357,152.432 108.6,152.19 ; v1(108.322,155.543) 108.322,156.024 108.194,156.152 108.083,156.152 107.965,156.27 107.965,156.381 C50.2@107.882,156.464 ; C53.2@108.517,151.13 108.6,151.213 108.6,151.919 108.7,152.019 C49.2@108.771,152.019 108.6,152.19 ; C39.2@109.152,156.845 108.152,156.845 107.965,156.658 107.965,156.547 C50.2@107.882,156.464 ; C43.2@109.406,155.448 109.489,155.531 109.489,155.642 109.607,155.76 109.985,155.76 110.008,155.737 v1(110.731,155.737) 110.676,155.682 C40.2@110.676,154.94 ; C47.2@109.542,153.289 109.542,152.913 109.442,152.813 ; C44.2@110.422,154.178 110.422,154.067 110.788,153.701 111.4,153.701 111.701,153.4 C55.2@111.701,153.289 ; v1(110.744,156.464) 111.06,156.78 C58.2@111.06,157.607 ; C48.2@110.803,150.368 110.697,150.474 110.577,150.474 110.342,150.709 110.342,151.93 C52.2@110.49,152.078 110.573,152.161 110.684,152.161 111.701,153.178 C55.2@111.701,153.289 ; v1@112.268,153.289 C55.2@111.701,153.289 ; C59.2@112.395,155.894 112.508,155.894 v1(113.157,156.544) ; C10.2@122.428,144.975 C11.2@123.063,144.975 124.401,144.975 v1(124.714,145.288) 126.56,145.288 C12.2@126.873,144.975 ; C16.1@125.603,159.19 126.941,159.19 v1(127.254,158.877) ; v1(130.226,144.78) 130.44,144.566 C13.2@130.44,144.156 ; C15.1@130.302,158.555 130.869,158.555 v1(131.572,159.258) ; C45.2@107.17,153.602 108.077,153.602 C46.2@108.136,153.543 108.189,153.49 108.189,152.991 C57.2@108.272,152.908 108.367,152.813 109.442,152.813 ; 108.6,152.19 108.6,152.331 108.75,152.481 v1(109.11,152.481) 109.442,152.813
  other v1: 132.588,95.25 115.824,110.363 115.951,113.538 119.126,115.189 122.555,118.364 110.998,145.161 112.375,148.485 112.283,153.289 103.533,155.659 103.58,158.088 108.987,170.561 109.728,173.609 120.921,174.117 116.84,177.165 114.427,178.181 120.015,178.689 118.618,179.197
HREF: P1.9 U1.A11 | length 27
  Top Layer w0.1: U1.A11@110.331,159.289 110.871,159.829 v1(110.871,160.147) ; v1(117.888,174.625) P1.9@117.888,175.655
  Bottom Layer w0.1: v1(110.871,160.147) 110.871,165.481 112.739,167.349 112.739,167.449 112.649,167.54 112.649,167.64 112.832,167.823 112.932,167.823 113.022,167.732 113.122,167.732 113.333,167.943 113.333,168.043 113.102,168.274 113.102,168.374 113.285,168.557 113.385,168.557 113.616,168.326 113.716,168.326 113.899,168.509 113.899,168.609 113.618,168.89 113.618,168.99 113.801,169.173 113.901,169.173 114.182,168.892 114.282,168.892 114.465,169.075 114.465,169.175 114.184,169.456 114.184,169.556 114.367,169.739 114.467,169.739 114.748,169.458 114.848,169.458 115.03,169.64 115.03,169.74 114.749,170.021 114.749,170.121 114.932,170.304 115.032,170.304 115.313,170.023 115.413,170.023 115.596,170.206 115.596,170.306 115.315,170.587 115.315,170.687 115.498,170.87 115.598,170.87 115.879,170.589 115.979,170.589 116.162,170.772 116.162,170.872 115.881,171.153 115.881,171.253 116.064,171.436 116.164,171.436 116.445,171.155 116.545,171.155 116.728,171.338 116.728,171.438 116.447,171.719 116.447,171.819 116.629,172.001 116.729,172.001 117.01,171.72 117.11,171.72 117.293,171.903 117.293,172.003 117.012,172.284 117.012,172.384 117.195,172.567 117.295,172.567 117.576,172.286 117.676,172.286 117.888,172.498 v1(117.888,174.625)
INITN: pad.55@102.489,127.254 R5.1 U1.T9 U2.8 | length 47.5
  Top Layer w0.254: U2.8@101.595,107.836 101.525,107.766 R5.1@101.525,106.299 102.235,106.299 v1(102.489,106.553) ; v1(102.489,139.7) 104.182,139.7 106.976,142.494 v1(107.061,142.494) ; U1.T9@108.731,147.289 109.335,146.685 v1(109.347,146.685)
  Bottom Layer w0.254: v1(102.489,106.553) pad.55@102.489,127.254 v1(102.489,139.7) ; v1(107.061,142.494) 109.347,144.78 v1(109.347,146.685)
M_CLK: CARD1.5 U1.C7 | length 24
  Top Layer w0.1: v1(100.893,157.325) 100.91,157.307 106.749,157.307 U1.C7@107.131,157.689
  Top Layer w0.254: CARD1.5@92.526,171.374 92.583,171.317 v1(92.583,165.862)
  Bottom Layer w0.254: v1(92.583,165.862) 92.795,165.862 100.893,157.764 v1(100.893,157.325)
M_CMD: CARD1.3 R20.1 U1.B4 | length 24.7
  Top Layer w0.254: v1(94.726,162.814) CARD1.3@94.726,171.374 ; R20.1@98.035,156.591 98.035,157.852 v1(99.06,158.877) ; v1(104.394,158.115) 104.394,158.152 U1.B4@104.731,158.489
  Bottom Layer w0.254: v1(94.726,162.814) 95.234,162.814 100.414,157.634 100.414,157.126 100.694,156.846 101.091,156.846 101.29,157.045 103.324,157.045 v1(104.394,158.115)
M_D0: CARD1.7 R18.1 U1.B2 | length 21.8
  Top Layer w0.254: v1(90.326,169.037) CARD1.7@90.326,171.374 ; R18.1@98.035,159.639 98.171,159.775 v1(98.171,161.163) ; v1(102.743,158.115) 102.757,158.115 U1.B2@103.131,158.489
  Bottom Layer w0.254: v1(90.326,169.037) 101.727,157.636 102.179,157.636 102.658,158.115 v1(102.743,158.115)
M_D1: CARD1.8 R19.1 U1.B1 | length 25.5
  Top Layer w0.254: CARD1.8@89.226,171.374 89.281,171.319 v1(89.281,170.053) ; R19.1@98.035,162.306 98.67,162.306 101.872,159.104 101.872,159.099 102.141,158.83 102.146,158.83 102.298,158.678 U1.B1@102.298,158.456 ; v1(101.981,158.115) 101.981,158.139 U1.B1@102.298,158.456 ; U1.B1@102.331,158.489 U1.B1@102.298,158.456
  Bottom Layer w0.254: v1(89.281,170.053) 90.043,170.053 v1(101.981,158.115)
M_D2: CARD1.1 R16.1 U1.B6 | length 32.2
  Top Layer w0.1: v1(97.282,158.496) 97.43,158.348 97.43,151.553 R16.1@98.031,150.952
  Top Layer w0.254: CARD1.1@96.926,171.374 97.211,171.089 97.211,158.567 v1(97.282,158.496) ; v1(105.918,158.115) 105.957,158.115 U1.B6@106.331,158.489
  Bottom Layer w0.254: v1(97.282,158.496) 97.536,158.496 98.454,157.578 98.454,157.536 98.735,157.255 99.131,157.255 99.145,157.269 99.27,157.269 99.907,156.632 99.907,156.138 103.941,156.138 v1(105.918,158.115)
M_D3: CARD1.2 R17.1 U1.B5 | length 27.5
  Top Layer w0.254: v1(95.758,160.909) 95.758,171.306 CARD1.2@95.826,171.374 ; R17.1@98.035,153.67 98.718,154.352 98.718,157.519 v1(98.933,157.734) ; v1(105.156,158.115) U1.B5@105.531,158.489
  Bottom Layer w0.254: v1(95.758,160.909) v1(98.933,157.734) 99.305,157.734 100.548,156.492 103.794,156.492 105.156,157.854 v1(105.156,158.115)